# Altium PCB RMS_to_DC.PcbDoc
Units mm, origin at the board's own origin, x right, y up, seen from the top; angles counter-clockwise.
Board outline 35 x 20 mm, 4 copper layers (Top Layer, Layer 1, Layer 2, Bottom Layer), stack 1.6 mm thick; 18 components, 14 nets, 53 pads, 100 vias.
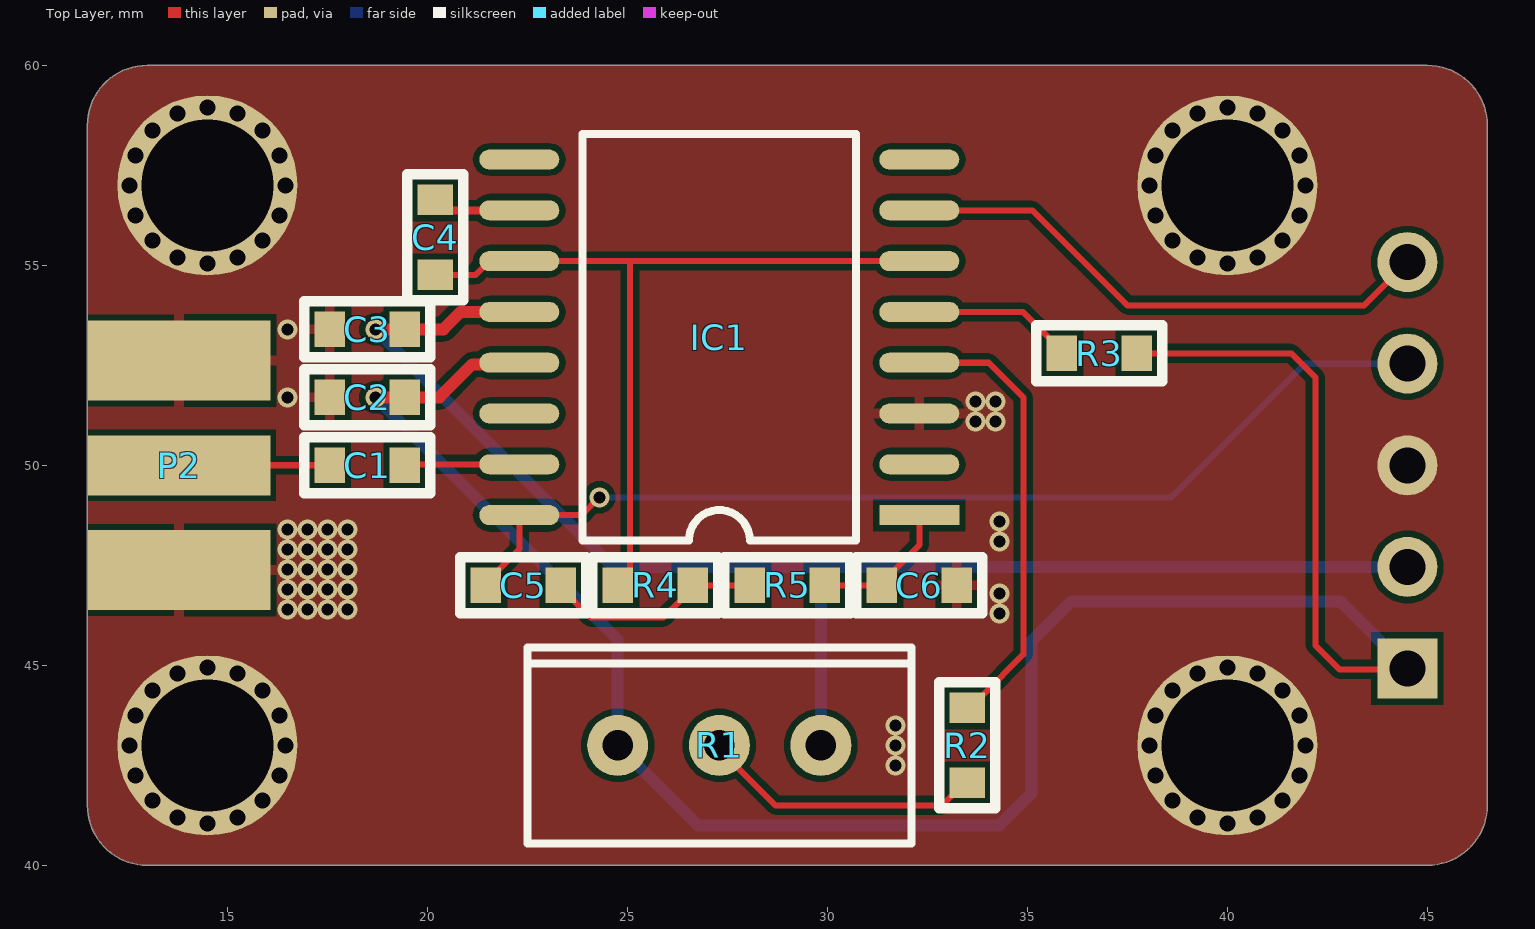
[diagram p0: Top Layer view]
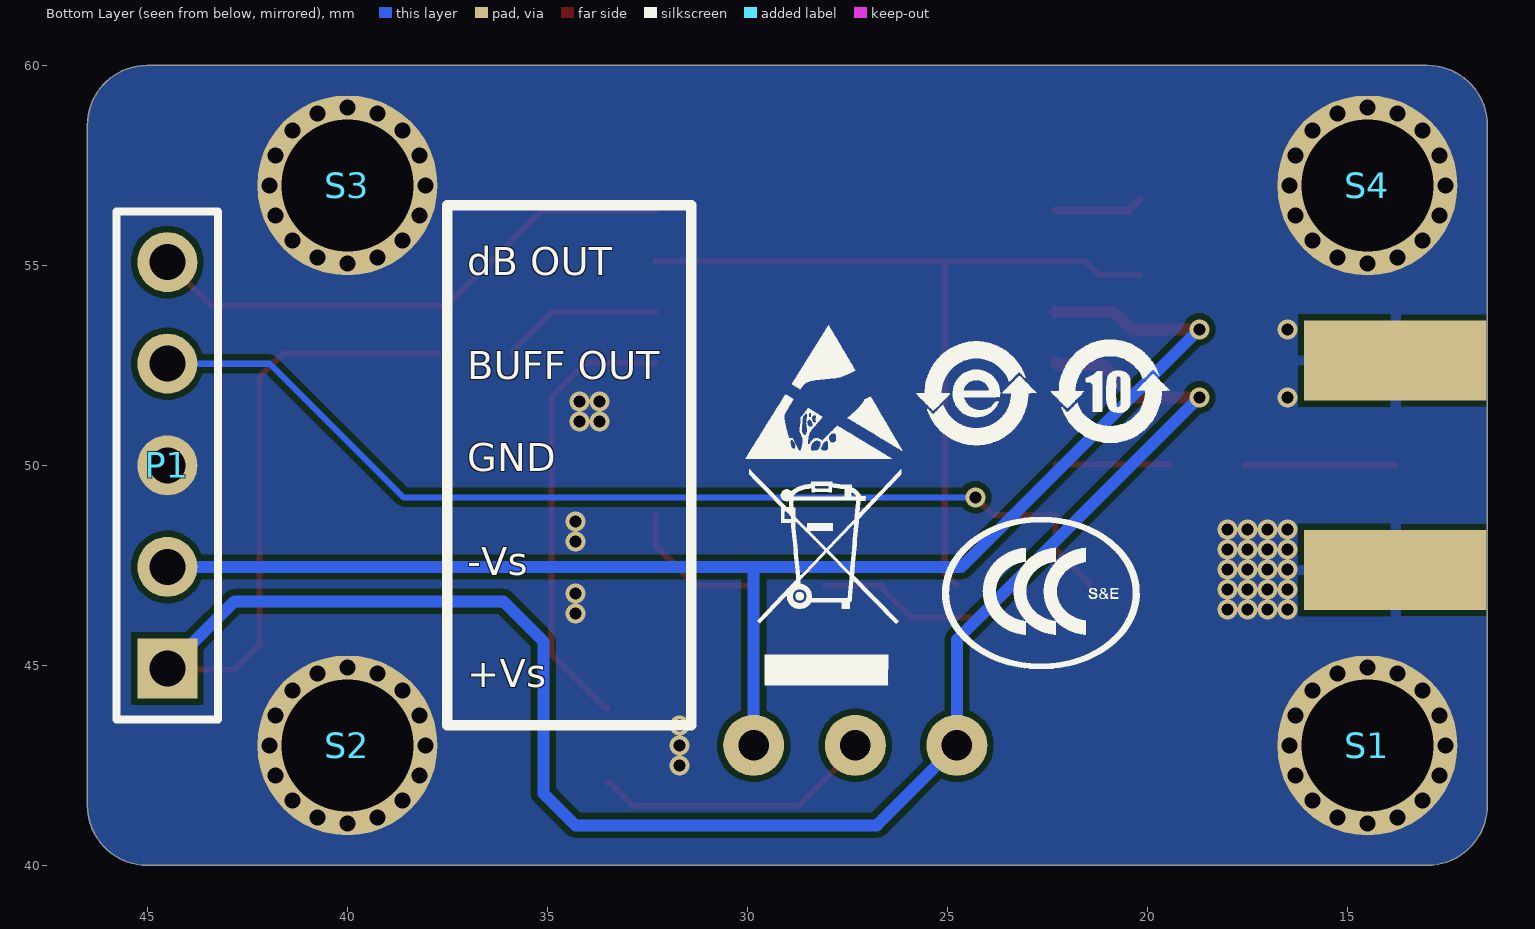
[diagram p1: Bottom Layer view, seen from below]
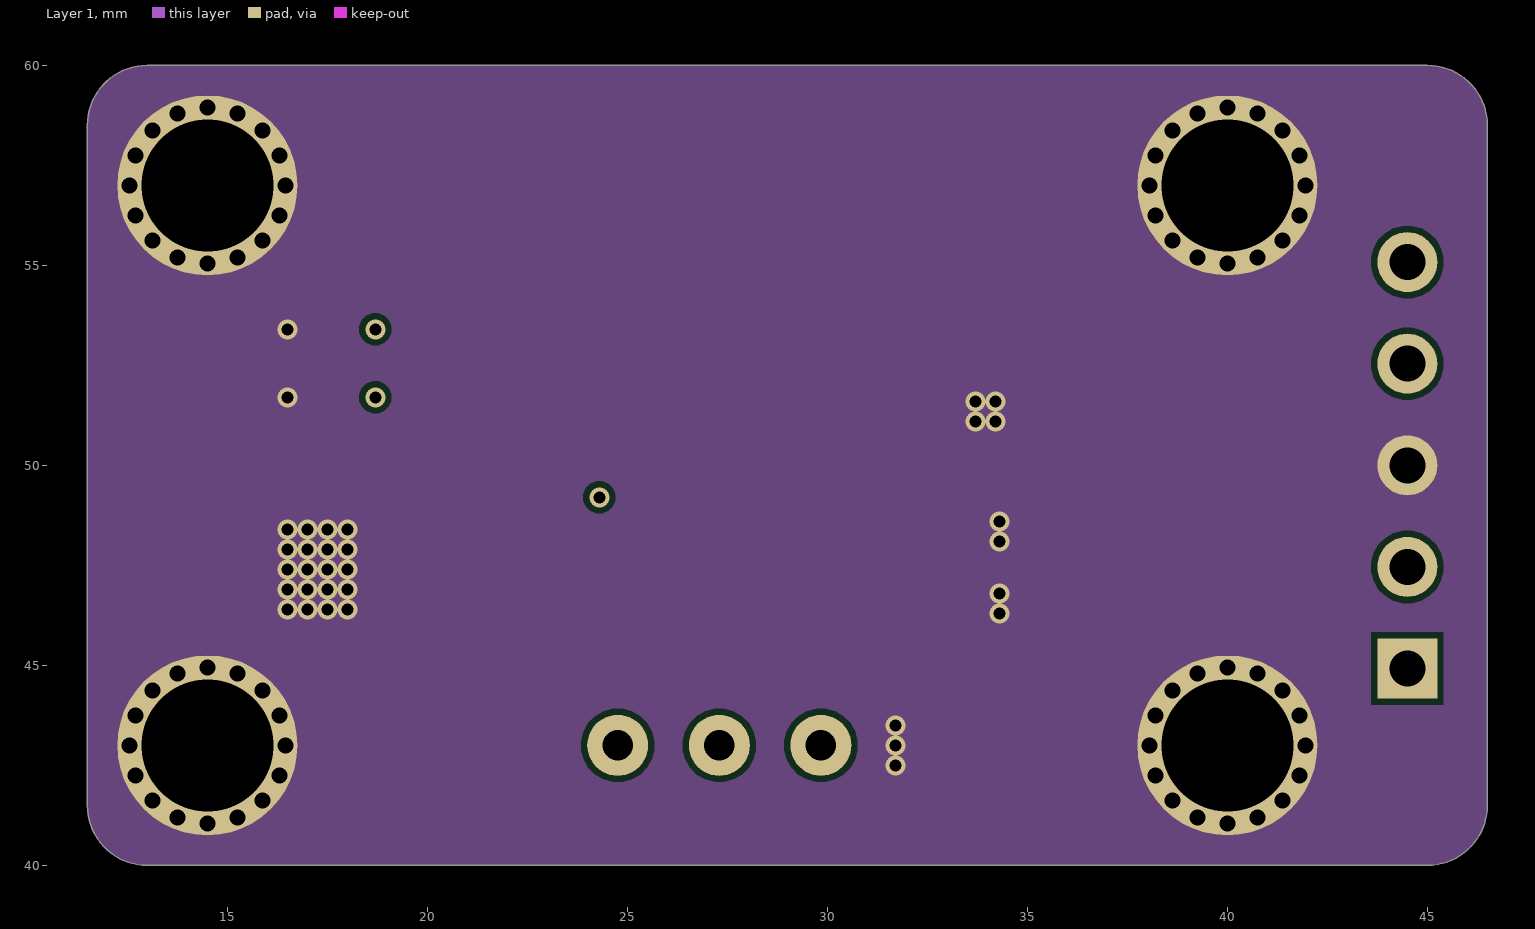
[diagram p2: Layer 1]
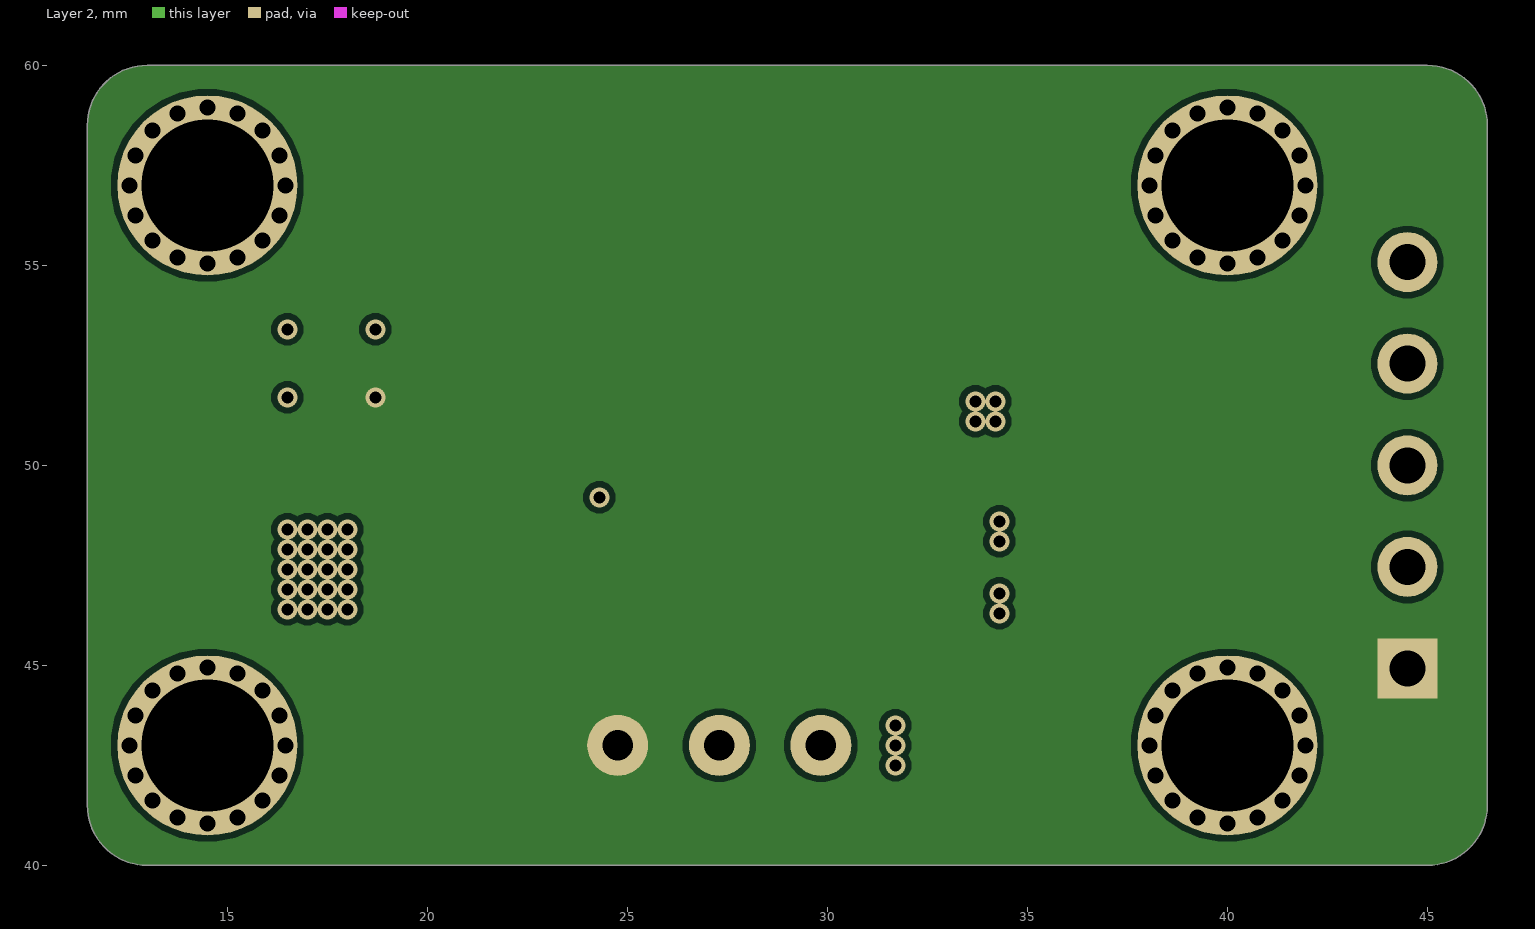
[diagram p3: Layer 2]
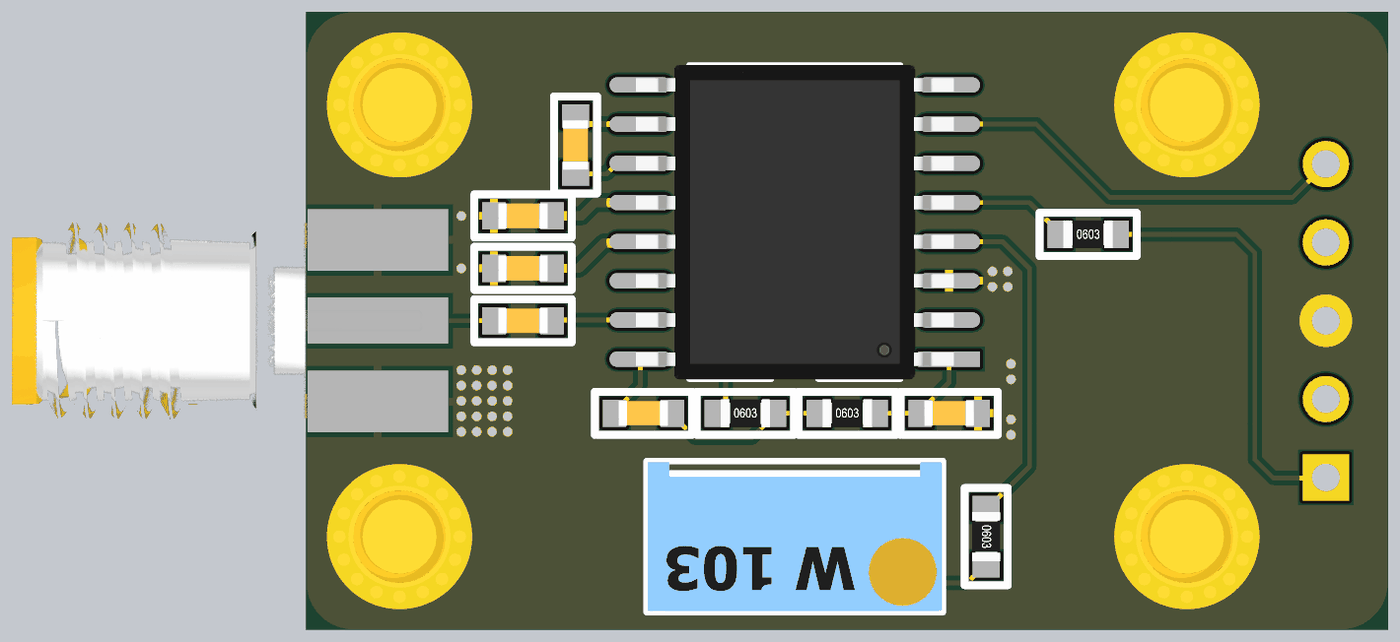
[diagram p4: 3D render of the assembled board from above, using the file's embedded part models]

## Layer stack, top to bottom
Top Solder: solder mask 0.01, Solder Resist, Dk 3.5
Top Layer: signal copper 0.035
Dielectric 1: prepreg 0.165, PP-017, Dk 4.3
Layer 1: signal copper 0.017
Dielectric2: dielectric 1.166, FR-4, Dk 4.8
Layer 2: signal copper 0.017
Dielectric 3: prepreg 0.165, PP-017, Dk 4.3
Bottom Layer: signal copper 0.035
Bottom Solder: solder mask 0.01, Solder Resist, Dk 3.5

## Board outline
11.5,41.5 11.5,58.5 cw(c13,58.5) 13,60 45,60 cw(c45,58.5) 46.5,58.5 46.5,41.5 cw(c45,41.5) 45,40 13,40 cw(c13,41.5)

## Design rules (kind name [scope] priority, off if disabled: settings)
Clearance [All] p1: gap=0.152 ignorepadtopadclearanceinfootprint=TRUE
FabricationTestPointUsage TestPointUsage [All] p1: valid=0 allowmultiple=FALSE
FabricationTestpoint Testpoint [All] p1: side=3 testpointundercomponent=TRUE minsize=1.016 maxsize=2.54 preferedsize=1.524 minholesize=0 maxholesize=1.016 preferedholesize=0.813 testpointgrid=0.025 allowsidetop=TRUE allowsidebottom=TRUE usegrid=TRUE gridtolerance=0
HoleSize [All] p1: absolutevalues=TRUE maxlimit=10 minlimit=0.025 maxpercent=80.000 minpercent=20.000
PolygonConnect [All] p1: thpad.connectstyle=Direct thpad.reliefconductorwidth=0.254 thpad.reliefentries=4 thpad.polygonreliefangle="90 Angle" thpad.airgapwidth=0.254 smdpad.connectstyle=Relief smdpad.reliefconductorwidth=0.254 smdpad.reliefentries=4 smdpad.polygonreliefangle="90 Angle" smdpad.airgapwidth=0.152 via.connectstyle=Direct via.reliefconductorwidth=0.254 via.reliefentries=4 via.polygonreliefangle="90 Angle" via.airgapwidth=0.254
RoutingLayers [All] p1: top layer_v5=TRUE mid layer 1_v5=FALSE mid layer 2_v5=FALSE bottom layer_v5=TRUE
RoutingVias [All] p1: holewidth=0.3 width=0.5 viastyle="Through Hole" minholewidth=0.3 minwidth=0.5 maxholewidth=1 maxwidth=10
SilkToSolderMaskClearance SilkscreenOverComponentPads [IsPad] p1: minsilkscreentomaskgap=0.254 clearancetoexposedcopper=TRUE
SolderMaskExpansion [All] p1: expansion=0.102 istentingtop=FALSE
Width [All] p1: maxlimit=10 minlimit=0.127 preferedwidth=0.152
25 further rules are at their usual default settings.

## Components (designator, comment, footprint, x,y, rotation, side; value= is the part's Value field where it differs from the comment)
C1 "叠层陶瓷电容" C0603 18.5,50 r270 top
C2 "叠层陶瓷电容" C0603 18.5,51.7 r90 top
C3 "叠层陶瓷电容" C0603 18.5,53.4 r90 top
C4 "叠层陶瓷电容" C0603 20.2,55.7 r0 top
C5 "叠层陶瓷电容" C0603 22.4,47 r270 top
C6 "叠层陶瓷电容" C0603 32.3,47 r270 top
IC1 "AD637" SOP-16(体宽7.5mm) 27.3,53.2 r180 top
P1 "Header 5" HDR1X5 44.5,44.92 r90 bottom
P2 "SMA" SMA-夹板 8.6,50 r90 top
R1 "10kΩ" 3296W-103 27.3,43 r0 top
R2 "贴片电阻" R0603 33.5,43 r180 top
R3 "贴片电阻" R0603 36.8,52.8 r270 top
R4 "贴片电阻" R0603 25.7,47 r270 top
R5 "贴片电阻" R0603 29,47 r270 top
S1 "M3铜柱" M3 14.5,43 r180 bottom
S2 "M3铜柱" M3 40,43 r180 bottom
S3 "M3铜柱" M3 40,57 r180 bottom
S4 "M3铜柱" M3 14.5,57 r180 bottom

## Footprints (in the part's own frame and the unit in brackets; to place one, negate y for a bottom-side part, rotate by r counter-clockwise, add the part's x,y. Pads: shape width x height; smd on the part's side, far side on the other; paste and mask are expansions set on the pad)
3296W-103 [mil]
  round 60 hole 30: 1(100,0) 2(0,0) 3(-100,0)
  silkscreen extent -189,-96 189,96, body extent -188,-95 188,95, height 458
C0603 [mil]
  rect 35x30 smd: 1(0,37) 2(0,-37)
  silkscreen extent -28,-62 28,62, body extent -16,-37 16,37, height 32
HDR1X5 [mm] "Connector; Header; 5 Position"
  rect 1.5x1.5 hole 0.9: 1(0,0)
  round 1.5 hole 0.9: 2(2.54,0) 3(5.08,0) 4(7.62,0) 5(10.16,0)
  silkscreen extent -1.27,-1.27 11.43,1.27
M3 [mm]
  round 4.5 hole 3.3: 1(0,0)
  body extent -2.7,-2.35 2.7,2.35, height 7.05
R0603 [mil]
  rect 35x30 smd: 1(0,37) 2(0,-37)
  silkscreen extent -28,-62 28,62, body extent -18,-31 18,32, height 20
SMA-夹板 [mm]
  rect 1.5x4.56 smd paste+0 mask+0: 1(0.001,-5.197)
  rect 2x4.56 smd paste+0 mask+0: 2(-2.619,-5.197) 3(2.621,-5.197)
  rect 2x4.56 smd far side paste+0 mask+0: 4(-2.619,-5.197) 5(2.621,-5.197)
  body extent -3.19,-6.65 3.19,6.65, height 3.85
SOP-16(体宽7.5mm) [mm]
  rect 2x0.5 smd: 1(-5,4.445)
  oval 2x0.5 smd: 2(-5,3.175) 3(-5,1.905) 4(-5,0.635) 5(-5,-0.635) 6(-5,-1.905) 7(-5,-3.175) 8(-5,-4.445) 9(5,-4.445) 10(5,-3.175) 11(5,-1.905) 12(5,-0.635) 13(5,0.635) 14(5,1.905) 15(5,3.175) 16(5,4.445)
  silkscreen extent -3.42,-5.08 3.42,5.08, body extent -5.15,-5.1 5.15,5.1, height 3.5

## Part data
C1 C2 C3 C4 C5 C6: library part 104, "无极性电容", voltage=100V, capacity=104, type=0805
IC1: "RMS TO DC均方根转换芯片"
P1: "Header, 5-Pin", LatestRevisionDate=17-Jul-2002, LatestRevisionNote="Re-released for DXP Platform.", Publisher="Altium Limited"
P2: "射频座"
R1: library part 100kΩ, "三脚可调式电位器"
R2 R3 R4 R5: library part 10kΩ, "贴片/直插电阻", Package=0805, resistance=10kΩ

## Via types
v1: diameter 0.5, hole 0.4, Top Layer to Bottom Layer, tented both sides, 64 vias
v2: diameter 0.5, hole 0.3, Top Layer to Bottom Layer, tented both sides, 36 vias

## Nets (pads, with @x,y where several pads share a name; then routed paths per layer and width w, separated by ;. In a path a pad name is that pad's centre, name@x,y a point inside that pad or via, vN(x,y) a via of type N, cw(c..) or ccw(c..) an arc to the next point about the centre after c; other vN are vias at no path point)
+Vs: C2.2 IC1.13 P1.1 R1.3 R3.1 | length 54.9
  Top Layer w0.152: R3.1 41.6,52.8 42.2,52.2 42.2,45.5 42.8,44.9 44.48,44.9 P1.1
  Top Layer w0.3: v2(18.7,51.7) C2.2 20.3,51.7 21.127,52.527 22.262,52.527 IC1.13
  Bottom Layer w0.3: v2(18.7,51.7) 24.76,45.64 R1.3 26.76,41 34.3,41 35.1,41.8 35.1,45.6 36.1,46.6 42.82,46.6 P1.1
-Vs: C3.2 IC1.12 P1.2 R1.1 | length 36.5
  Top Layer w0.3: v2(18.7,53.4) C3.2 20.4,53.4 20.835,53.835 IC1.12
  Bottom Layer w0.3: v2(18.7,53.4) 24.64,47.46 29.9,47.46 ; R1.1 29.84,47.4 29.9,47.46 ; P1.2 29.9,47.46
"BUFF OUT": C5.2 IC1.16 P1.4 | length 25.9
  Top Layer w0.152: C5.2 21.46,47.063 22.3,47.903 IC1.16 23.855,48.755 v2(24.3,49.2)
  Bottom Layer w0.152: v2(24.3,49.2) 38.6,49.2 41.94,52.54 P1.4
"dB OUT": IC1.7 P1.5 | length 13.6
  Top Layer w0.152: IC1.7 35.125,56.375 37.5,54 43.42,54 P1.5
GND: C2.1 C3.1 C6.1 IC1.3 P1.3 P2.2 P2.3 P2.4 P2.5 S1.1 S2.1 S3.1 S4.1
  other v1: 14.5,41.05 40,41.05 13.75,41.2 15.25,41.2 39.25,41.2 40.75,41.2 13.125,41.625 15.875,41.625 38.625,41.625 41.375,41.625 12.7,42.25 16.3,42.25 38.2,42.25 41.8,42.25 12.55,43 16.45,43 38.05,43 41.95,43 12.7,43.75 16.3,43.75 38.2,43.75 41.8,43.75 13.125,44.375 15.875,44.375 38.625,44.375 41.375,44.375 13.75,44.8 15.25,44.8 39.25,44.8 40.75,44.8 14.5,44.95 40,44.95 14.5,55.05 40,55.05 13.75,55.2 15.25,55.2 39.25,55.2 40.75,55.2 13.125,55.625 15.875,55.625 38.625,55.625 41.375,55.625 12.7,56.25 16.3,56.25 38.2,56.25 41.8,56.25 12.55,57 16.45,57 38.05,57 41.95,57 12.7,57.75 16.3,57.75 38.2,57.75 41.8,57.75 13.125,58.375 15.875,58.375 38.625,58.375 41.375,58.375 13.75,58.8 15.25,58.8 39.25,58.8 40.75,58.8 14.5,58.95 40,58.95
  other v2: 31.7,42.5 31.7,43 31.7,43.5 34.3,46.3 16.5,46.4 17,46.4 17.5,46.4 18,46.4 34.3,46.8 16.5,46.9 17,46.9 17.5,46.9 18,46.9 16.5,47.4 17,47.4 17.5,47.4 18,47.4 16.5,47.9 17,47.9 17.5,47.9 18,47.9 34.3,48.1 16.5,48.4 17,48.4 17.5,48.4 18,48.4 34.3,48.6 33.7,51.1 34.2,51.1 33.7,51.6 34.2,51.6 16.5,51.7 16.5,53.4
NetC1_1: C1.1 IC1.15 | length 2.9
  Top Layer w0.152: C1.1 19.465,50.025 IC1.15
NetC4_1: C4.1 IC1.10 | length 2.2
  Top Layer w0.2: C4.1 20.465,56.375 IC1.10
NetC4_2: C4.2 IC1.6 IC1.11 R4.2 | length 20.5
  Top Layer w0.152: C4.2 21.205,54.76 21.55,55.105 IC1.11 25.1,55.105 ; R4.2 25.065,47.305 25.065,55.07 25.1,55.105 ; IC1.6 25.1,55.105
NetC5_1: C5.1 R4.1 R5.2 | length 5.5
  Top Layer w0.152: C5.1 23.34,46.936 24.076,46.2 25.903,46.2 26.335,46.632 26.64,46.936 R4.1 R5.2
NetC6_2: C6.2 IC1.1 R5.1 | length 3.6
  Top Layer w0.152: R5.1 31.297,47 C6.2@31.36,47.063 ; C6.2 C6.2@31.36,47.063 ; IC1.1 32.3,48.003 C6.2@31.36,47.063
NetIC1_4: IC1.4 R2.2 | length 11.3
  Top Layer w0.152: IC1.4 34.035,52.565 34.9,51.7 34.9,45.276 33.868,44.245 33.563,43.94 R2.2
NetIC1_5: IC1.5 R3.2 | length 4
  Top Layer w0.152: IC1.5 34.889,53.835 35.86,52.864 R3.2
NetR1_2: R1.2 R2.1 | length 7.1
  Top Layer w0.152: R1.2 27.3,42.9 28.7,41.5 32.876,41.5 33.436,42.06 R2.1
Vin: C1.2 P2.1 | length 3.8
  Top Layer w0.152: P2.1 C1.2 C1.2
pads on no net: IC1.2 IC1.8 IC1.9 IC1.14

## Polygon pours and split planes (outlines as drawn)
GND on Top Layer "NONET_L-01_P-001" (solid, remove dead copper, pour order 3): 11.5,58.5 cw(c13,58.5) 13,60 45,60 cw(c45,58.5) 46.5,58.5 46.5,41.5 cw(c45,41.5) 45,40 13,40 cw(c13,41.5) 11.5,41.5
GND on Layer 1 "NONET_L-01_P-001" (solid, remove dead copper, pour order 0): 11.5,58.5 cw(c13,58.5) 13,60 45,60 cw(c45,58.5) 46.5,58.5 46.5,41.5 cw(c45,41.5) 45,40 13,40 cw(c13,41.5) 11.5,41.5
GND on Bottom Layer "NONET_L-01_P-001" (solid, remove dead copper, pour order 1): 11.5,58.5 cw(c13,58.5) 13,60 45,60 cw(c45,58.5) 46.5,58.5 46.5,41.5 cw(c45,41.5) 45,40 13,40 cw(c13,41.5) 11.5,41.5
+Vs on Layer 2 "NONET_L-01_P-001" (solid, remove dead copper, pour order 2): 11.5,58.5 cw(c13,58.5) 13,60 45,60 cw(c45,58.5) 46.5,58.5 46.5,41.5 cw(c45,41.5) 45,40 13,40 cw(c13,41.5) 11.5,41.5

## Silkscreen, mask and mechanical layers (free items; w line width, h text height)
Bottom Overlay:
  drawing of 22 lines, arcs and shapes, not listed
  text "dB OUT" at 37,54.513 h1.2
  text "BUFF OUT" at 37,51.913 h1.2
  text "GND" at 37,49.613 h1.2
  text "-Vs" at 37,47.012 h1.2
  text "+Vs" at 37,44.212 h1.2
Bottom Solder:
  drawing of 19 lines, arcs and shapes, not listed
Mechanical 1:
  the board outline again, w0.1
Mechanical 15:
  lines w0.1: 11.5,50 46.5,50
Mechanical 16:
  drawing of 503 lines, arcs and shapes, not listed
  text "1" at 36.246,189.611 h1.78
  text "2" at 108.89,189.611 h1.78
  text "3" at 182.042,189.611 h1.78
  text "4" at 254.94,189.611 h1.78
  text "A" at 1.905,166.599 h1.78
  text "A" at 288.925,166.599 h1.78
  text "Layer" at 168.069,140.12 h1.52
  text "Name" at 178.48,140.12 h1.52
  text "Material" at 202.096,140.12 h1.52
  text "Thickness" at 223.934,140.12 h1.52
  text "Constant" at 240.44,140.12 h1.52
  text "Board Layer Stack" at 254.914,140.12 h1.52
  text "Top Overlay" at 178.48,137.072 h1.52
  text "Top Solder" at 178.48,134.024 h1.52
  text "Solder Resist" at 202.096,134.024 h1.52
  text "0.39mil" at 223.934,134.024 h1.52
  text "3.5" at 240.44,134.024 h1.52
  text "1" at 168.069,130.976 h1.52
  text "Top Layer" at 178.48,130.976 h1.52
  text "1.38mil" at 223.934,130.976 h1.52
  text "Dielectric 1" at 178.48,127.928 h1.52
  text "PP-017" at 202.096,127.928 h1.52
  text "6.50mil" at 223.934,127.928 h1.52
  text "4.3" at 240.44,127.928 h1.52
  text "2" at 168.069,124.88 h1.52
  text "Layer 1" at 178.48,124.88 h1.52
  text "CF-004" at 202.096,124.88 h1.52
  text "0.67mil" at 223.934,124.88 h1.52
  text "Dielectric2" at 178.48,121.832 h1.52
  text "FR-4" at 202.096,121.832 h1.52
  text "45.91mil" at 223.934,121.832 h1.52
  text "4.8" at 240.44,121.832 h1.52
  text "3" at 168.069,118.784 h1.52
  text "Layer 2" at 178.48,118.784 h1.52
  text "CF-004" at 202.096,118.784 h1.52
  text "0.67mil" at 223.934,118.784 h1.52
  text "B" at 1.905,118.542 h1.78
  text "B" at 288.925,118.542 h1.78
  text "Dielectric 3" at 178.48,115.736 h1.52
  text "PP-017" at 202.096,115.736 h1.52
  text "6.50mil" at 223.934,115.736 h1.52
  text "4.3" at 240.44,115.736 h1.52
  text "4" at 168.069,112.688 h1.52
  text "Bottom Layer" at 178.48,112.688 h1.52
  text "1.38mil" at 223.934,112.688 h1.52
  text "Bottom Solder" at 178.48,109.64 h1.52
  text "Solder Resist" at 202.096,109.64 h1.52
  text "0.39mil" at 223.934,109.64 h1.52
  text "3.5" at 240.44,109.64 h1.52
  text "Bottom Overlay" at 178.48,106.592 h1.52
  text "C" at 1.905,70.028 h1.78
  text "C" at 288.925,70.028 h1.78
  text "ENGINEER:" at 173.99,33.02 h1.14
  text "TITLE:" at 212.09,33.02 h1.14
  text "阳光电路" at 175,29.1 h4
  text "PCB DESIGNER:" at 173.99,25.527 h1.14
  text "RMS_to_DC" at 216.2,24.5 h8
  text "D" at 1.905,22.022 h1.78
  text "D" at 288.925,22.022 h1.78
  text "阳光电路" at 175,21.3 h4
  text "DATE:" at 173.99,17.78 h1.14
  text "PART NO.:" at 212.09,17.78 h1.14
  text "REV:" at 265.43,17.78 h1.14
  text "阳光电路" at 141,16.2 h4
  text ".PRINT_DATE" at 175.26,14.732 h1.78
  text "Rev 1.0.0" at 267.1,14.5 h1.78
  text "中国广西" at 141,12.2 h4
  text "FILE NAME:" at 173.99,10.16 h1.14
  text "DWG NO:" at 212.09,10.16 h1.14
  text "SCALE:" at 265.43,10.16 h1.14
  text "桂林雁山" at 141,8.2 h4
  text ".PCB_FILE_NAME_NO_PATH" at 175.26,7.112 h1.78
  text "1" at 36.246,1.651 h1.78
  text "2" at 108.89,1.651 h1.78
  text "3" at 182.042,1.651 h1.78
  text "4" at 254.94,1.651 h1.78
Drill Drawing:
  circle w0.254: c7.386,174.732 r0.847
  lines w0.254: 6.539,166.689 6.962,166.689 7.386,166.266 7.809,166.689 8.232,166.689 7.809,167.112 8.232,167.536 7.809,167.536 7.386,167.959 6.962,167.536 6.539,167.536 6.962,167.112 6.539,166.689 ; 6.539,170.076 7.386,170.499 8.232,170.076 7.809,170.922 8.232,171.769 7.386,171.346 6.539,171.769 6.962,170.922 6.539,170.076 ; 6.539,179.389 8.232,179.389 7.386,177.696 6.539,179.389 ; 6.539,181.506 8.232,181.506 8.232,183.199 6.539,183.199 6.539,181.506
  lines w0.381: 5.02,165.123 276.065,165.123 ; 5.02,184.173 276.065,184.173 ; 19.013,161.313 19.013,187.983 ; 33.741,161.313 33.741,187.983 ; 62.942,161.313 62.942,187.983 ; 75.791,161.313 75.791,187.983 ; 94.43,161.313 94.43,187.983 ; 132.519,161.313 132.519,187.983 ; 147.501,161.313 147.501,187.983 ; 166.444,161.313 166.444,187.983 ; 185.489,161.313 185.489,187.983 ; 207.174,161.313 207.174,187.983 ; 241.048,161.313 241.048,187.983 ; 5.02,161.313 276.065,161.313 276.065,187.983 5.02,187.983 5.02,161.313
  text "Symbol" at 7.306,185.316 h1.83
  text "Count" at 20.156,185.316 h1.83
  text "Hole Size" at 34.884,185.316 h1.83
  text "Plated" at 64.085,185.316 h1.83
  text "Hole Type" at 76.934,185.316 h1.83
  text "Drill Layer Pair" at 95.573,185.316 h1.83
  text "Via/Pad" at 133.662,185.316 h1.83
  text "Pad Shape" at 148.644,185.316 h1.83
  text "Template" at 167.587,185.316 h1.83
  text "Description" at 186.632,185.316 h1.83
  text "Hole Tolerance (+)" at 208.317,185.316 h1.83
  text "Hole Tolerance (-)" at 242.191,185.316 h1.83
  text "3" at 20.156,181.506 h1.52
  text "0.762mm (30.00mil)" at 34.884,181.506 h1.52
  text "PTH" at 64.085,181.506 h1.52
  text "Round" at 76.934,181.506 h1.52
  text "Top Layer - Bottom Layer" at 95.573,181.506 h1.52
  text "Pad" at 133.662,181.506 h1.52
  text "Rounded" at 148.644,181.506 h1.52
  text "c152h76" at 167.587,181.506 h1.52
  text "4" at 20.156,177.696 h1.52
  text "3.300mm (129.92mil)" at 34.884,177.696 h1.52
  text "PTH" at 64.085,177.696 h1.52
  text "Round" at 76.934,177.696 h1.52
  text "Top Layer - Bottom Layer" at 95.573,177.696 h1.52
  text "Pad" at 133.662,177.696 h1.52
  text "Rounded" at 148.644,177.696 h1.52
  text "c450h330" at 167.587,177.696 h1.52
  text "5" at 20.156,173.886 h1.52
  text "0.900mm (35.43mil)" at 34.884,173.886 h1.52
  text "PTH" at 64.085,173.886 h1.52
  text "Round" at 76.934,173.886 h1.52
  text "Top Layer - Bottom Layer" at 95.573,173.886 h1.52
  text "Pad" at 133.662,173.886 h1.52
  text "(Mixed)" at 148.644,173.886 h1.52
  text "(Mixed)" at 167.587,173.886 h1.52
  text "36" at 20.156,170.076 h1.52
  text "0.300mm (11.81mil)" at 34.884,170.076 h1.52
  text "PTH" at 64.085,170.076 h1.52
  text "Round" at 76.934,170.076 h1.52
  text "Top Layer - Bottom Layer" at 95.573,170.076 h1.52
  text "Via" at 133.662,170.076 h1.52
  text "Rounded" at 148.644,170.076 h1.52
  text "v50h30m0mx0" at 167.587,170.076 h1.52
  text "64" at 20.156,166.266 h1.52
  text "0.400mm (15.75mil)" at 34.884,166.266 h1.52
  text "PTH" at 64.085,166.266 h1.52
  text "Round" at 76.934,166.266 h1.52
  text "Top Layer - Bottom Layer" at 95.573,166.266 h1.52
  text "Via" at 133.662,166.266 h1.52
  text "Rounded" at 148.644,166.266 h1.52
  text "v50h40m0mx0" at 167.587,166.266 h1.52
  text "112 Total" at 20.156,162.456 h1.52